# Allegro board FEMA_CBRS_1W_V0P4.brd
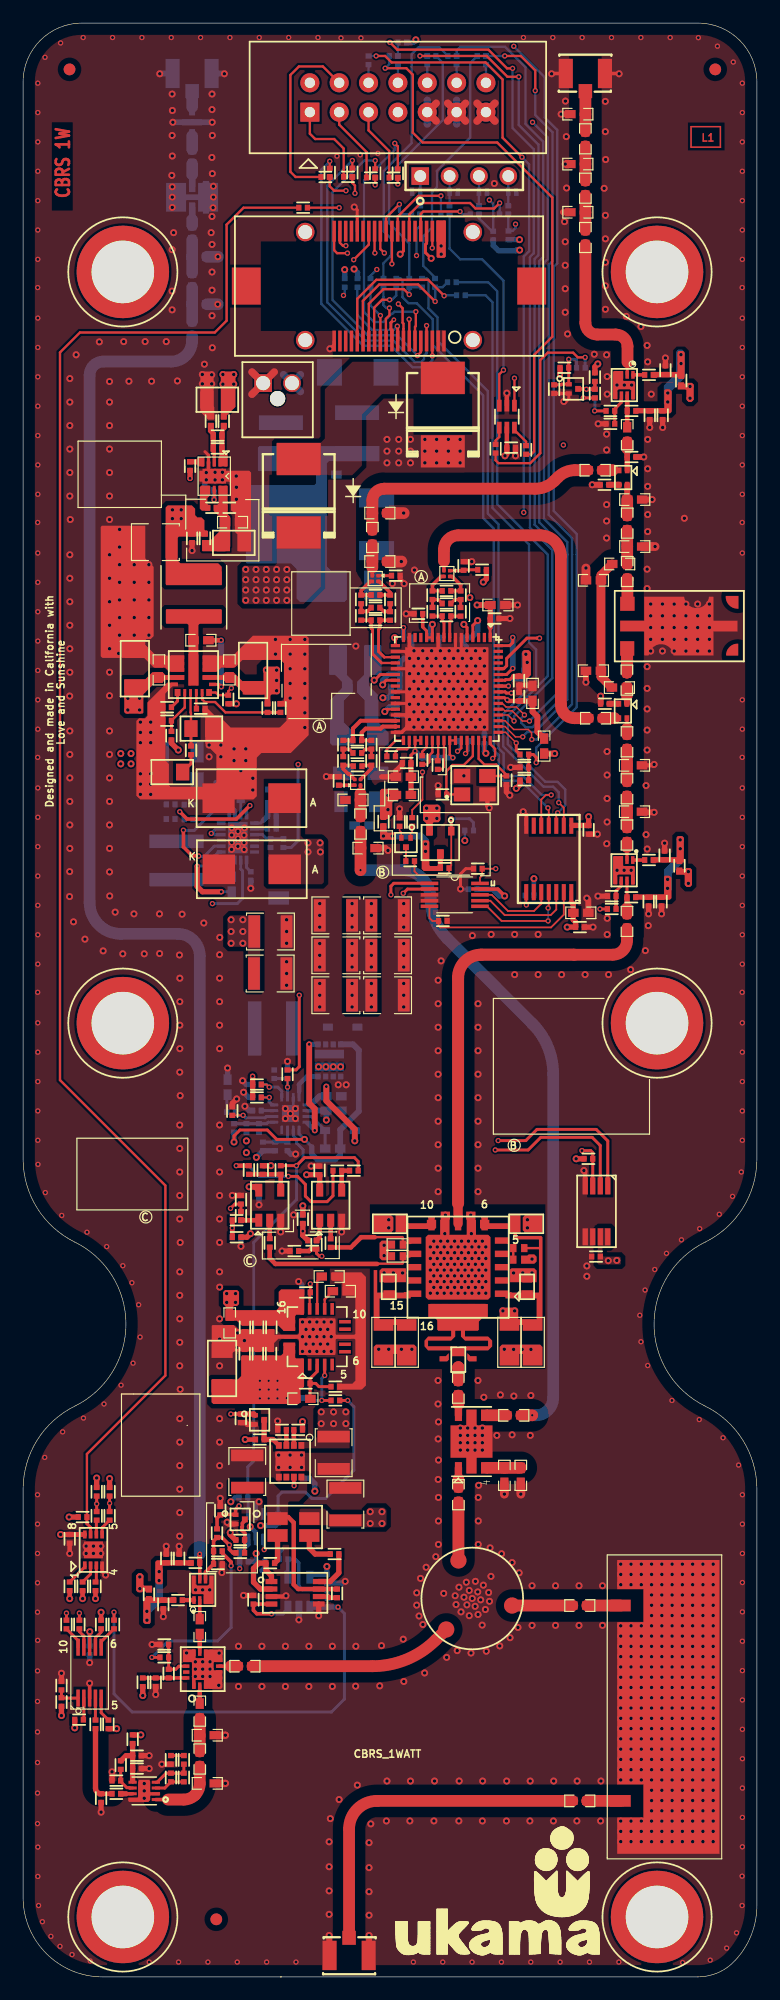
[diagram p0: board, top side]
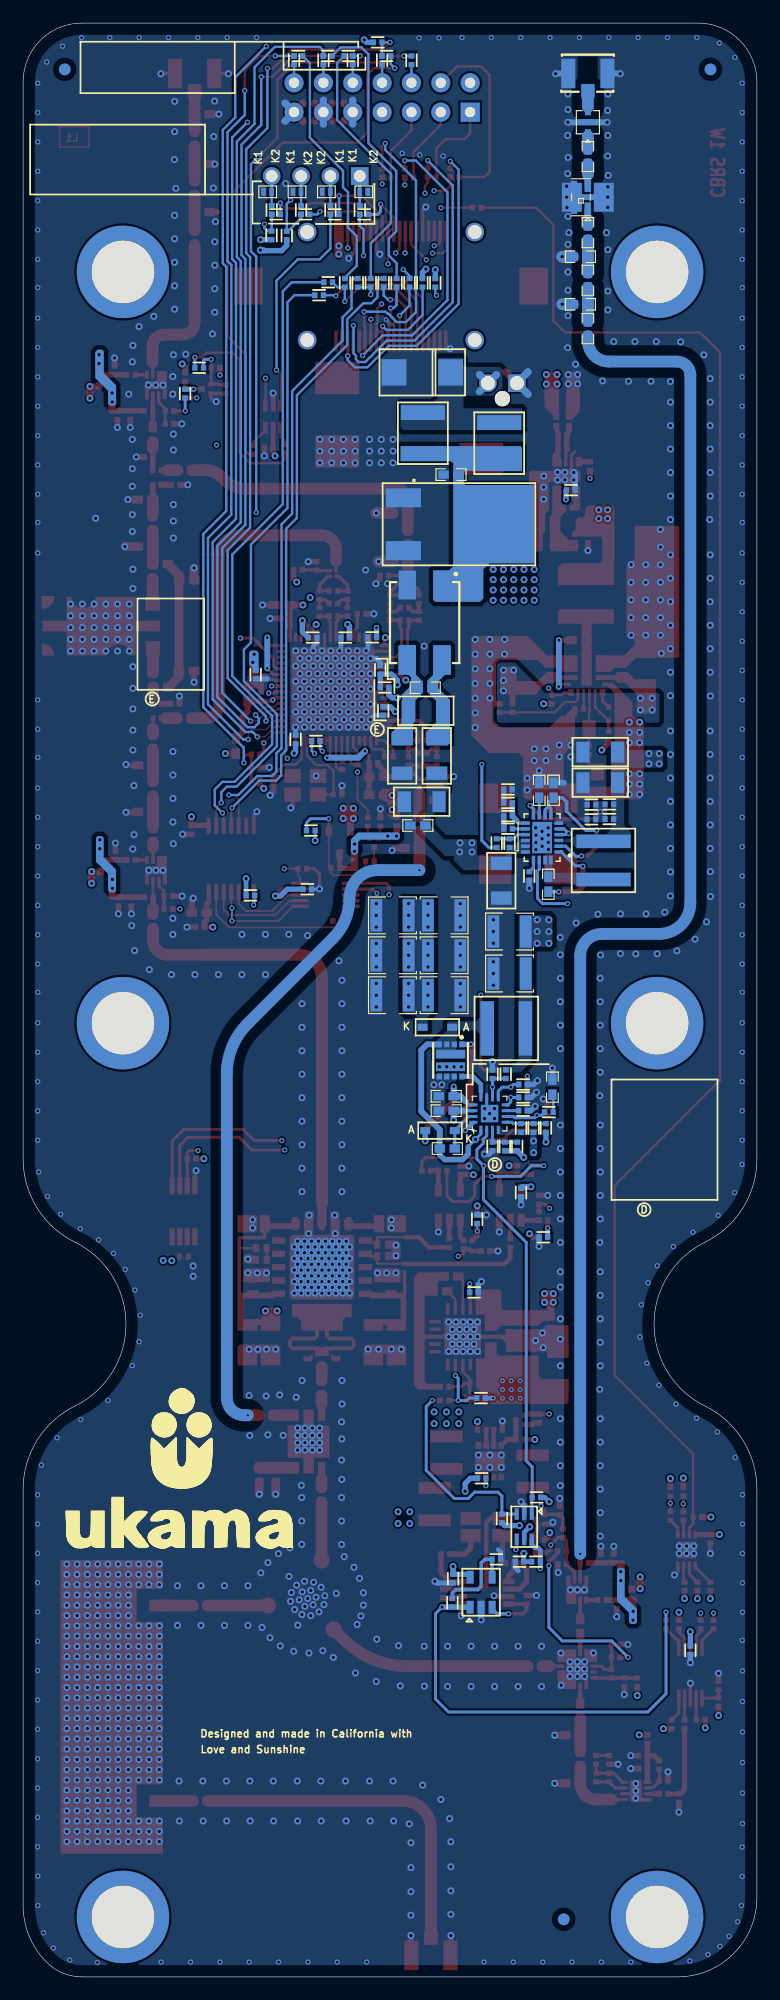
[diagram p1: board, bottom side, seen from below]

Outline 63.5 x 169 mm; copper layers: TOP, GND1, SIG1, SIG2, PWR, BOTTOM. Coordinates in mm from the lower left corner of the outline.
Outline path: 0,163.92 0,70.74 arc(1.21,66.51) 4.48,63.56 arc(8.9,56.47) 4.48,49.37 arc(1.21,46.42) 0,42.19 0,6.88 arc(2.01,2.01) 6.88,0 58.4,0 arc(60.16,0.37) 61.61,1.42 arc(63.01,3.62) 63.5,6.18 63.5,42.19 arc(62.29,46.42) 59.02,49.37 arc(54.6,56.47) 59.02,63.56 arc(62.29,66.51) 63.5,70.74 63.5,163.92 arc(62.01,167.51) 58.42,169 5.08,169 arc(1.49,167.51) 0,163.92

## Design rules (mm)
constraint set DEFAULT: min track width 0.127
net group PA_CIR_OUT: nets PA_CIR_OUT_N PA_CIR_OUT_P
net group PA_COUP_IN: nets PA_COUP_IN_N PA_COUP_IN_P
net group PA_RFPAL_OUT: nets PA_RFPAL_OUT_N PA_RFPAL_OUT_P
net group PWR: nets INT_VCC VCC_5V_DRIV VCC_5V_LNA1 VCC_5V_PD VCC_RFPAL_1V8
net group RF_50E: nets ANT_CIR_OUT ANT_REF_PWR_DET_OUT N5392944 N5434247 N5466645 N5466653 N5466657 N5467666 N5467824 N5467874 N5527142 N5527150 N5527732 N5527736 N5535230 N5592939 N5593222 N5594372 N5594380 N5596314 N5596318 N5597824 N5598004 N5598829 N5598833 N5598837 N5652921 N5693147 N5947818 N5947970 PA_CIR_OUT PA_COUP_IN PA_COUP_IN_C RF_DET_REV_OUT RX_ATTN_IN TX_ATTN_IN TX_ATTN_IN_C TX_ATTN_OUT_C TX_CPLLR_OUT TX_CPLR2_OUT TX_CPLR_3_IN TX_CPLR_3_OUT TX_CPLR_ATTN TX_DELY_BYPAS TX_DELY_IN TX_DELY_IN_R TX_DELY_OUT TX_DRIVER_IN TX_PA_IN TX_PA_RFPAL_OUT TX_PA_RFPAL_OUT_C TX_PREDRI_OUT_C

## Placement (name value [footprint] x y rotation side)
C11  22uF  [C1206]  22.11 94.82 270 bottom
C13  0.1uF  [C0603]  18.05 94.51 90 bottom
C14  0.1uF  [C0402]  12.77 100.15 0 bottom
C15  22uF  [C1206]  13.55 105.94 0 bottom
C16  22uF  [C1206]  13.55 103.3 0 bottom
C17  0.1uF  [C0402]  14.32 100.13 0 bottom
C18  4.7uF  [C0603]  17.59 102.64 90 bottom
C19  15000pF  [C0603]  18.84 102.64 90 bottom
C20  100pF  [C0402]  21.53 100.41 0 bottom
C21  0.1uF  [C0603]  26.47 129.95 0 bottom
C22  0.1uF  [C0603]  28.7 111.51 0 bottom
C23  22uF  [C1206]  28.65 109.52 0 bottom
C26  22uF  [C1206]  29.01 101.65 0 bottom
C27  0.1uF  [C0603]  29.34 99.59 0 bottom
C28  1500pF  [C0402]  21.54 102.72 180 bottom
C29  10UF  [C1210]  27.07 84.91 180 top
C30  10UF  [C1210]  27.07 84.91 180 bottom
C31  10UF  [C1210]  31.54 84.91 0 bottom
C32  10UF  [C1210]  27.07 88.37 180 bottom
C33  10UF  [C1210]  27.07 88.37 180 top
C34  10UF  [C1210]  31.54 88.37 0 top
C35  10UF  [C1210]  31.54 84.91 0 top
C36  10UF  [C1210]  27.07 91.82 180 bottom
C37  10UF  [C1210]  27.07 91.82 180 top
C38  10UF  [C1210]  31.54 91.82 0 top
C39  10UF  [C1210]  31.54 88.37 0 bottom
C40  10UF  [C1210]  31.54 91.82 0 bottom
C41  4.7uF  [C0603]  26.89 76.17 0 bottom
C42  4.7uF  [C0603]  26.89 74.93 0 bottom
C43  0.22uF  [C0603]  26.79 71.65 0 bottom
C44  0.1uF  [C0402]  20.54 35.92 0 bottom
C45  10UF  [C1210]  21.38 86.79 0 top
C46  10UF  [C1210]  21.4 86.79 0 bottom
C47  10UF  [C1210]  21.4 90.42 0 bottom
C48  10UF  [C1210]  21.4 90.42 0 top
C49  0.1uF  [C0402]  20.23 74.93 180 bottom
C50  220pF  [C0402]  18.1 74.9 90 top
C51  47000pF  [C0402]  20.41 73.43 90 bottom
C52  15000pF  [C0603]  17.69 76.96 90 bottom
C53  0.1uF  [C0402]  20.74 71.83 270 bottom
C58  100pF  [C0603]  48.66 158.99 270 top
C59  100pF  [C0603]  48.66 150.46 270 top
C61  100pF  [C0603]  49.5 130.33 0 top
C63  560pF  [C0402]  6.75 15.46 270 top
C64  0.1uF  [C0402]  13.91 17.25 270 top
C65  0.1uF  [C0402]  12.79 17.25 270 top
C66  100pF  [C0603]  52.26 98.77 90 top
C67  100pF  [C0603]  52.26 106.83 90 top
C68  100pF  [C0402]  9.85 18.02 180 top
C69  100pF  [C0603]  49.54 108.87 0 top
C77  100pF  [C0603]  37.67 41.71 270 top
C78  100pF  [C0603]  37.66 50.93 270 top
C89  0.1uF  [C0402]  5.76 28.24 270 bottom
C90  1uF  [C0402]  49.58 62.31 180 top
C91  0.1uF  [C0402]  4.03 37.89 270 top
C101  1uF  [C0402]  11.48 25.48 270 top
C103  100pF  [C0603]  15.29 22.99 90 top
C109  100pF  [C0603]  19.2 26.87 0 top
C124  100pF  [C0603]  14.63 157.45 270 bottom
C125  100pF  [C0603]  14.63 150.88 270 bottom
C126  100pF  [C0603]  14.63 142.57 270 bottom
C129  1000pF  [C0402]  31.85 105.57 180 top
C130  1000pF  [C0402]  34.54 105.26 90 top
C131  1uF  [C0402]  43.37 104.62 180 top
C132  1000pF  [C0402]  35.88 104.83 90 top
C134  0.5pF  [C0402]  28.92 105.87 180 top
C135  1000pF  [C0402]  38.17 106.91 180 bottom
C136  0.5pF  [C0402]  36.64 118.8 0 top
C137  0.3pF  [C0402]  36.64 119.89 0 top
C138  15pF  [C0402]  27.32 103.45 90 top
C139  15pF  [C0402]  38.12 122.05 90 top
C140  -  [C0402]  36.29 102.28 0 top
C142  0.5pF  [C0402]  30.5 118.44 0 top
C143  15pF  [C0402]  32.25 121.2 0 top
C144  -  [C0402]  41.82 103.51 90 top
C145  1000pF  [C0402]  40.81 117.5 0 top
C146  1000pF  [C0402]  39.92 107.04 90 bottom
C147  1000pF  [C0402]  35.63 115.85 0 bottom
C148  4..7uF  [C0603]  32.91 103.81 180 top
C149  1000pF  [C0402]  33.19 105 180 top
C150  1000pF  [C0402]  38.45 115.85 180 bottom
C151  0.1uF  [C0402]  36.48 95.91 180 top
C152  1000pF  [C0402]  32.34 109.5 270 bottom
C153  1000pF  [C0402]  32.59 113.06 90 bottom
C154  1000pF  [C0402]  42.92 112.12 270 top
C155  4..7uF  [C0603]  41.09 118.67 0 top
C156  1000pF  [C0402]  34.2 117.91 180 top
C157  4..7uF  [C0603]  44.09 111.02 90 top
C158  1000pF  [C0402]  42.92 110.74 90 top
C159  1000pF  [C0402]  43.37 112.65 270 bottom
C160  10UF  [C1210]  26.87 45.34 270 top
C161  10UF  [C1210]  19.4 43.71 90 top
C162  10UF  [C1210]  27.89 40.89 90 top
C166  0.1uF  [C0402]  27.17 33.17 90 top
C167  0.1uF  [C0402]  26.29 34.44 270 bottom
C168  0.1uF  [C0402]  38.9 94.08 180 bottom
C169  0.1uF  [C0402]  39.35 95.86 180 top
C178  0.1uF  [C0402]  48.19 90.81 0 top
C179  0.1uF  [C0402]  48.94 99.22 270 top
C180  2.2pF  [C0603]  48.26 92.04 0 top
C194  100pF  [C0402]  12.13 32.22 270 top
C195  100pF  [C0402]  13.5 36.19 90 top
C196  1uF  [C0402]  12.39 36.19 90 top
C198  100pF  [C0603]  15.29 30.3 270 top
C199  1uF  [C0402]  54.23 135.08 270 top
C200  100pF  [C0402]  55.34 135.08 270 top
C201  100pF  [C0402]  55.58 138.98 90 top
C203  100pF  [C0603]  52.28 133.4 270 top
C204  100pF  [C0402]  55.51 97.01 90 top
C205  100pF  [C0402]  55.25 93.01 270 top
C206  1uF  [C0402]  54.13 93.01 270 top
C207  100pF  [C0603]  52.26 91.3 90 top
C208  10UF  [M1206]  42.09 54.89 270 top
C209  10UF  [M1206]  44.09 54.89 270 top
C210  3.3pF  [F0603]  43.61 59.69 90 top
C211  10UF  [M0805]  43.54 65.14 0 top
C212  3.6pF  [F0603]  37.66 53.39 270 top
C213  10UF  [M0805]  31.74 65.14 180 top
C214  3pF  [F0603]  31.64 59.69 90 top
C215  4.7UF  [M0402]  32.39 63.34 180 top
C216  4.7UF  [M0402]  32.39 62.34 180 top
C217  10UF  [M1206]  31.19 54.89 270 top
C218  10UF  [M1206]  33.19 54.89 270 top
C219  100pF  [C0603]  48.17 32.12 0 top
C220  100pF  [C0603]  48.17 15.22 180 top
C221  100pF  [C0402]  52.65 131.47 0 top
C222  4.7uF  [C1206]  19.9 113 90 top
C223  4.7uF  [C1206]  9.67 113.16 90 top
C224  0.1uF  [C0603]  17.85 113.06 90 top
C225  0.1uF  [C0603]  11.75 113.06 90 top
C226  0.1uF  [C0603]  15.38 115.62 180 top
C227  47uF  [C1210]  11.45 124.1 180 top
C228  8.2nF  [C0402]  15.37 109.7 0 top
C229  18pF  [C0805]  15.43 107.97 0 top
C230  33nF  [C0805]  12.91 104.22 180 top
C231  10uF  [C0603]  17.88 56.57 270 top
C232  0.1uF  [C0402]  19.2 56.19 270 top
C233  0.1uF  [C0402]  21.48 56.19 270 top
C234  0.1uF  [C0402]  20.34 56.19 270 top
C235  10000pF  [C0603]  24.21 50.01 0 top
C236  0.1uF  [C0402]  19.17 53.9 90 top
C237  0.1uF  [C0402]  21.46 53.9 90 top
C238  0.1uF  [C0402]  20.32 53.9 90 top
C239  22uF  [C1206]  17.22 52.63 90 top
C240  10000pF  [C0603]  26.49 60.58 0 top
C241  10uF  [C0603]  27.45 59.31 0 top
C242  0.1uF  [C0402]  14.62 124.43 270 top
C243  10uF  [C0805]  18.23 124.04 0 top
C244  2.2uF  [C0603]  18.13 125.83 0 top
C245  10pF  [C0402]  17.85 127.08 0 top
C246  10nF  [C0402]  16.83 132.21 180 top
C247  10uF  [C0805]  16.81 136.42 180 top
C248  0.1uF  [C0402]  16.1 128.6 180 bottom
C249  0.1uF  [C0402]  25.65 69.76 90 top
C250  0.1uF  [C0402]  20.41 67.84 270 bottom
C251  0.9pF  [C0402]  30.5 117.35 0 top
C252  0.2pF  [C0402]  36.64 117.7 0 top
C253  0.3pF  [C0402]  30.5 119.53 0 top
C254  0.3pF  [C0402]  28.95 104.72 180 top
C255  100uF  [C2917]  19.76 101.96 180 top
C256  100uF  [C2917]  19.79 95.81 180 top
C257  0.1uF  [C0402]  42.24 132.28 0 top
C258  0.1uF  [C0402]  12.79 18.77 90 top
C259  0.1uF  [C0402]  9.85 19.14 180 top
C260  100pF  [C0603]  42.46 48.58 0 top
CON2  RECE.20279.001E.01  [RCPT_STR_50]  48.66 164.77 0 top
CON3  RECE.20279.001E.01  [RCPT_STR_50]  28.21 1.73 180 top
CON4  RECE.20279.001E.01  [RCPT_STR_50]  14.63 164.77 180 bottom
D1  STPS1045B  [DPAK]  25.78 125.65 270 bottom
D2  BAS140WE6327  [SOD323]  27.42 73.2 180 bottom
D3  BAS140WE6327  [SOD323]  27.65 82.14 0 bottom
D4  PGB1010603MR  [D0603]  48.01 161.13 0 top
D5  -  [CLA4606-085LF]  14.63 160.43 270 bottom
D6  B530C-13-F  [DO_214SMC]  23.85 128.12 270 top
D11  SMDJ16CA  [DO_214SMC]  36.32 135.13 270 top
D12  PESD3V3X1BL,315  [DFN98X58X50-2N_NXP]  42.34 154.41 0 bottom
D13  PESD3V3X1BL,315  [DFN98X58X50-2N_NXP]  39.8 154.41 0 bottom
D14  PESD3V3X1BL,315  [DFN98X58X50-2N_NXP]  37.26 154.41 0 bottom
D15  PESD3V3X1BL,315  [DFN98X58X50-2N_NXP]  34.02 154.41 180 bottom
F1  MINISMDC260F/16-2  [F1812]  22.3 132.66 270 bottom
F2  MINISMDC260F/16-2  [F1812]  28.91 133.53 270 bottom
FB4  120E  [FB_1206]  27.7 105.61 270 bottom
FB5  120E  [FB_1206]  30.7 105.61 270 bottom
FB8  33E  [FB_0402]  39.72 121.72 0 top
FB9  33E  [FB_0402]  31.18 99.92 90 top
FB10  33E  [FB_0402]  32.21 111.53 0 bottom
FB11  120E  [FB_0603]  32.91 102.24 0 top
FB12  120E  [FB_0603]  45.09 106.47 90 top
FB14  33E  [FB_0402]  21.34 63.49 270 top
FB15  33E  [FB_0402]  26.62 63.47 270 top
FB16  33E  [FB_0402]  10.89 33.09 270 top
FB17  33E  [FB_0402]  56.95 138.08 90 top
FB18  33E  [FB_0402]  56.8 96.11 90 top
FL1  -  [USB362A]  51.69 23.67 90 top
FL3  -  [BP0805A3500ASTR]  15.23 153.94 270 bottom
J1  FX23L-40-S-0.5SV10  [FX23L-40-S-0P5SV10]  31.66 146.25 180 top
J2  -  [1053091102]  22.02 137.86 0 top
J3  10056844-114LF  [BERG_2X7_2P54]  32.43 162.57 0 top
J4  87224-4  [BERG_1X4_2P54]  34.37 155.77 0 top
L2  3.3UH  [XAL5030-332MEC]  13.28 96.57 90 bottom
L4  5.6UH  [XAL5050-562MEC]  21.68 82.04 180 bottom
L8  2.2nH  [L0402]  30.14 106.58 90 top
L10  8.2nH  [L0402]  28.92 106.96 180 top
L12  2.2nH  [L0402]  27.7 106.58 90 top
L15  5.6UH  [INDDFN528X548X510-2N]  14.77 119.33 90 top
L19  18nH  [L0402]  14.91 35.81 0 top
L20  18nH  [L0402]  52.65 135.46 180 top
L21  18nH  [L0402]  52.63 93.39 180 top
L22  ACM70V-701-2PL-TL00  [FIL_ACM70V-701-2PL-TL00]  28.75 117.14 270 bottom
L23  2.2nH  [L0402]  29.25 117.73 270 top
L24  2.2nH  [L0402]  31.76 117.72 270 top
L25  1.5nH  [L0402]  35.42 119.51 90 top
L26  1.5nH  [L0402]  37.86 119.51 90 top
MH1  M_HOLE  [MTG370X800]  54.86 147.48 0 top
MH2  M_HOLE  [MTG370X800]  54.86 82.5 0 top
MH3  M_HOLE  [MTG370X800]  8.63 82.5 0 top
MH4  M_HOLE  [MTG370X800]  54.86 5.18 0 top
MH5  M_HOLE  [MTG370X800]  8.63 5.18 0 top
MH6  M_HOLE  [MTG370X800]  8.63 147.48 0 top
NOREF  -  [unnamed]  16.72 4.98 0 top
NOREF#2  -  [#2]  0 163.92 0 top
NOREF#3  -  [#2]  57.75 0 90 top
NOREF#4  -  [unnamed]  4.02 165 0 top
NOREF#5  -  [unnamed]  59.9 165 0 top
NOREF#6  -  [unnamed]  59.9 165 180 bottom
NOREF#7  -  [unnamed]  16.72 4.98 180 bottom
NOREF#8  -  [unnamed]  4.02 165 180 bottom
Q1  FDMC8030  [TRANS_FDMC8030]  26.51 79.27 270 bottom
Q2  -  [RYM002N05T2CL]  47.63 137.36 270 top
Q3  -  [RYM002N05T2CL]  18.79 39.57 270 top
Q4  SI2333DS-T1-E3  [SOT23-3N]  36.11 98.12 180 top
Q5  -  [RYM002N05T2CL]  33.13 98.12 180 top
Q6  -  [RYM002N05T2CL]  20.46 48.18 270 top
R10  0E  [R0402]  21.4 98.07 90 bottom
R12  0E  [R0402]  22.52 98.07 90 bottom
R13  115K  [R0402]  12.77 101.42 0 bottom
R14  56K  [R0402]  14.32 101.4 0 bottom
R15  634K  [R0402]  21.53 99.31 0 bottom
R16  0E  [R0402]  19.7 95.22 270 bottom
R17  5.1K  [R0402]  21.54 101.55 0 bottom
R18  0E  [R0402]  22.88 78.08 270 top
R19  0E  [R0402]  21.73 78.08 90 bottom
R20  10K  [R0402]  22.88 78.08 90 bottom
R21  100K  [R0402]  22.06 39.65 90 bottom
R22  100K  [R0402]  19.07 41.48 0 bottom
R23  100K  [R0402]  19.12 35.92 180 bottom
R24  0E  [R0402]  20.23 76.07 0 top
R25  0E  [R0402]  20.23 77.19 0 bottom
R26  0E  [R0402]  20.23 77.19 0 top
R27  0E  [R0402]  20.23 76.07 180 bottom
R28  8.2K  [R0402]  18 74.8 180 bottom
R29  1M Ohm  [R0402]  19.32 73.43 90 bottom
R30  8.2K  [R0402]  18.25 73.43 270 bottom
R31  200K  [R0402]  21.81 71.83 270 bottom
R32  12.7K  [R0402]  22.88 71.83 270 bottom
R34  0E  [R0603]  48.66 154.72 270 top
R35  49.9E  [R0402]  50.31 129.07 180 top
R36  0E  [R0603]  48.01 156.81 0 top
R37  0E  [R0603]  48.01 152.64 0 top
R38  1.1K  [R0402]  49.48 138.38 270 top
R39  0E  [R0402]  49.48 136.96 270 bottom
R40  0E  [R0402]  49.48 136.96 270 top
R41  10K  [R0402]  45.95 137.34 270 top
R42  0E  [R0402]  9.48 20.56 90 top
R43  0E  [R0603]  51.6 111.52 0 top
R44  0E  [R0603]  51.63 122.21 180 top
R46  0E  [R0603]  52.25 112.17 90 top
R47  0E  [R0603]  52.28 121.56 90 top
R48  0E  [R0603]  52.28 125.76 90 top
R49  0E  [R0603]  52.93 123.72 180 top
R50  0E  [R0603]  52.93 127.79 180 top
R53  49.9E  [R0402]  50.35 110.12 180 top
R58  100E  [R0603]  41.65 43.38 270 top
R59  100E  [R0603]  43.07 43.38 270 top
R60  0E  [R0402]  15.74 124.43 270 top
R63  10K  [R0402]  4.84 22.25 0 top
R64  10K  [R0402]  3.32 23.77 90 top
R65  10K  [R0402]  48.92 70.76 0 top
R66  10K  [R0402]  6.75 30.48 270 top
R67  10K  [R0402]  5.15 39.78 0 top
R68  10K  [R0402]  5.15 33.78 90 top
R69  10K  [R0402]  4.03 33.78 90 top
R70  4.7K  [R0402]  6.37 41.96 270 top
R71  4.7K  [R0402]  7.48 41.96 270 top
R72  10K  [R0402]  3.32 25.2 90 top
R73  10K  [R0402]  6.26 33.78 90 top
R74  0E  [R0402]  6.26 21.84 90 top
R75  10K  [R0402]  7.38 21.84 90 top
R76  0E  [R0402]  6.37 39.88 90 top
R77  0E  [R0402]  7.48 39.88 90 top
R78  0E  [R0402]  7.87 30.48 270 top
R79  0E  [R0402]  4.87 30.48 90 top
R80  0E  [R0402]  3.75 30.48 90 top
R84  0E  [R0402]  10.35 25.48 270 top
R85  0E  [R0603]  15.29 18.85 90 top
R86  0E  [R0603]  15.94 16.74 180 top
R88  0E  [R0603]  15.94 20.9 180 top
R95  10K  [R0402]  12.59 26.23 90 top
R96  0E  [R0402]  12.22 27.64 0 top
R97  100K  [R0402]  12.22 28.75 180 top
R98  10K  [R0402]  20.73 69.79 270 top
R100  1.1K  [R0402]  18.79 37.8 0 top
R101  1.1K  [R0402]  18.85 65.83 270 top
R102  1.1K  [R0402]  25.39 63.33 90 top
R103  0E  [R0402]  18.79 36.68 180 top
R104  10K  [R0402]  17.06 40.34 90 top
R105  200E  [R0603]  29.2 99.72 270 top
R106  68E  [R0603]  28.55 101.8 0 top
R107  68E  [R0603]  29.85 97.64 180 top
R108  10K  [R0402]  43.37 103.51 0 top
R109  12.4K  [R0402]  33.29 115.87 0 bottom
R110  0E  [R0402]  30.14 105.18 90 top
R111  0E  [R0402]  35.42 118.08 90 top
R112  0E  [R0402]  27.7 105.18 90 top
R113  0E  [R0402]  37.86 118.08 90 top
R114  0E  [R0402]  29.25 119.15 270 top
R115  0E  [R0402]  31.77 119.15 270 top
R116  0E  [R0603]  30.22 124.51 90 top
R117  0E  [R0603]  30.87 122.43 180 top
R118  0E  [R0603]  30.87 126.62 180 top
R119  1.1K  [R0402]  38.6 99.16 0 bottom
R120  0E  [R0402]  33.5 96.51 0 top
R121  0E  [R0402]  33.67 99.9 270 top
R122  0E  [R0402]  32.58 99.9 270 top
R123  100K  [R0402]  23.81 47.32 180 top
R124  100K  [R0402]  23.83 43.13 180 bottom
R125  50mE  [RSENSE1206]  23.39 38.91 0 top
R126  30.1E  [R0402]  21.39 35.79 180 top
R127  30.1E  [R0402]  26.95 36.58 0 top
R128  270K  [R0402]  22.41 47.32 180 top
R129  470E  [R0402]  20.48 46.48 0 top
R130  0E  [R0402]  26.35 32.36 270 bottom
R131  10K  [R0402]  18.84 48.31 270 top
R132  910E  [R0402]  19.93 32.62 90 top
R133  0E  [R0402]  22.54 36.12 180 bottom
R139  10K  [R0402]  36.33 91.34 0 top
R156  0E  [R0402]  24.23 153.04 0 top
R159  3.32K  [R0402]  13.4 32.59 0 top
R160  0E  [R0402]  16.86 36.83 180 top
R161  100K  [R0402]  16.86 35.71 0 top
R162  3.32K  [R0402]  54.16 138.58 180 top
R163  0E  [R0402]  50.82 135.46 0 top
R164  100K  [R0402]  50.82 134.34 180 top
R165  3.32K  [R0402]  54.16 96.61 180 top
R166  0E  [R0402]  50.94 92.37 0 top
R167  100K  [R0402]  50.94 93.49 180 top
R185  0E  [R0402]  35.65 146.53 270 bottom
R186  0E  [R0402]  33.41 146.53 270 bottom
R187  0E  [R0402]  37.1 146.58 180 bottom
R188  0E  [R0402]  34.53 146.53 270 bottom
R189  0E  [R0402]  30.06 146.53 270 bottom
R190  0E  [R0402]  31.18 146.53 270 bottom
R191  0E  [R0402]  32.3 146.53 270 bottom
R208  84.5K  [R0402]  21.15 109.75 270 top
R209  49.9K  [R0402]  12.83 107.37 90 top
R210  100K  [R0402]  17.75 110.5 90 top
R211  11K  [R0402]  22.27 109.75 90 top
R212  90.0K  [R0402]  12.46 109.83 180 top
R213  6.04K  [R0402]  12.46 108.66 180 top
R214  2.67K  [R0402]  14.53 106.1 270 top
R215  29.4K  [R0402]  24.48 59.21 0 top
R216  105K  [R0402]  24.46 51.33 0 top
R217  10K  [R0402]  24.48 59.21 180 bottom
R218  20K  [R0402]  27.02 51.06 0 top
R219  100K  [R0402]  23.88 50.06 0 bottom
R220  0E  [R0402]  27.02 49.86 0 top
R238  0E  [R0402]  26.53 156.07 90 top
R239  0E  [R0402]  28.49 156.08 90 top
R240  0E  [R0402]  30.47 156.02 90 top
R241  0E  [R0402]  32.43 156.01 90 top
R242  0E  [R0402]  26.16 155.69 180 top
R246  0E  [R0402]  39.68 166.16 0 bottom
R247  0E  [R0402]  35.35 166.16 180 bottom
R248  0E  [R0402]  32.06 166.16 0 bottom
R249  0E  [R0402]  37.14 166.16 0 bottom
R254  0E  [R0402]  43.37 105.74 180 top
R255  0E  [R0402]  29.89 165.79 90 bottom
R256  10K  [R0402]  32.82 167.34 180 bottom
R257  0E  [R0402]  32.43 165.79 90 bottom
R258  0E  [R0402]  34.97 165.79 90 bottom
R259  0E  [R0402]  37.51 165.79 90 bottom
R260  0E  [R0402]  40.05 165.79 90 bottom
R261  0E  [R0402]  28.11 155.7 180 top
R262  0E  [R0402]  30.1 155.64 180 top
R263  0E  [R0402]  32.05 155.63 180 top
R264  10K  [R0402]  43.83 93.55 180 bottom
R266  10K  [R0402]  27.83 146.53 270 bottom
R267  10K  [R0402]  28.94 146.53 270 bottom
R268  10K  [R0402]  40.68 150.62 90 bottom
R269  10K  [R0402]  42 150.65 90 bottom
R270  0E  [R0402]  37.89 145.47 180 bottom
R271  5.1K  [R0402]  18.48 63.98 180 top
R272  10K  [R0402]  18.48 63.98 0 bottom
R273  9.1K  [R0402]  24.21 65.54 270 top
R274  10K  [R0402]  24.21 65.54 90 bottom
R275  0E  [R0402]  18.48 65.45 0 top
R276  0E  [R0402]  25.02 63.7 0 top
R277  0E  [R0402]  22.29 69.79 270 top
R278  0E  [R0402]  28.62 69.74 180 top
R279  0E  [R0402]  17.36 134.57 90 top
R280  3.57k  [R0402]  16.83 133.32 180 top
R281  0E  [R0402]  16.35 127.08 180 top
R282  1.15k  [R0402]  16.25 134.57 90 top
R283  20K  [R0402]  14.44 130.68 270 top
R287  71.5E  [R0603]  52.26 102.77 90 top
R288  96.5E  [R0603]  52.91 100.79 0 top
R289  96.5E  [R0603]  52.91 104.8 0 top
R291  0E  [R0603]  15.28 148.79 180 bottom
R293  0E  [R0603]  14.63 146.76 270 bottom
R294  0E  [R0603]  15.28 144.68 180 bottom
R295  10K  [R0402]  18.85 67.22 90 top
R296  10E  [R0402]  19.54 69.79 270 top
R297  10K  [R0402]  23.47 62.79 180 top
R298  10E  [R0402]  27.19 69.74 0 top
R300  0E  [R0402]  48.26 139.19 180 bottom
R301  0E  [R0402]  46.84 139.19 0 top
R302  0E  [R0402]  36.53 152.46 180 bottom
R303  0E  [R0402]  16.78 38.38 270 top
R304  0E  [R0402]  40.89 132.18 90 top
R305  0E  [R0402]  43.53 132.08 90 top
R306  100E  [R0402]  8.07 15.84 180 top
R307  100K  [R0402]  8.45 18.32 90 top
R308  100K  [R0402]  8.07 16.98 0 top
R309  4E3  [R0402]  13.91 18.77 90 top
R360  0E  [R0402]  34.37 152.83 270 bottom
R361  0E  [R0402]  36.91 152.83 270 bottom
R362  0E  [R0402]  39.45 152.83 270 bottom
R363  0E  [R0402]  41.99 152.83 270 bottom
R364  0E  [R0402]  39.07 152.46 180 bottom
R365  0E  [R0402]  41.61 152.46 180 bottom
R366  0E  [R0402]  33.99 152.46 180 bottom
R367  0E  [R0603]  49.36 112.98 0 top
R368  0E  [R0603]  49.36 120.8 0 top
T1  -  [BD3150N50100AHF]  36.67 121.39 0 top
T2  -  [BD3150N50100AHF]  28.95 103.33 180 top
T3  -  [BD3150N50100AHF]  30.47 120.95 0 top
U1  LTC3786EUD#PBF  [QFN-16_UD]  23.13 74.68 90 bottom
U3  SKYFR-001822:  [SKYFR-001822]  38.87 32.73 320 top
U4  -  [X4C30F1-30S]  38.8 46.3 90 top
U10  TPS7A9101DSKR  [WSON_0P5P_2P5X2P5X0P8_10N]  16.54 129.81 180 top
U13  LTC3626IUDC#PBF  [QFN50P400X300X80-21N]  18.58 98.55 0 bottom
U19  SC1894A-00C13  [21-0765A_K6499MK1B]  36.67 111.4 270 top
U21  QPL9547  [DFN_8N]  15.54 33.48 90 top
U22  PE42823  [QFN-17N]  15.54 26.62 90 top
U27  NX3225SA-20.000M-STD-CRS-2  [OSCCC320X250X60]  39.08 103.08 0 top
U28  QPL9547  [DFN_8N]  52.03 137.69 270 top
U29  -  [CP0603A0902CNTR]  51.93 129.69 180 top
U30  -  [XDL15-3-030S]  56.79 116.84 0 top
U32  CP0603A0902HNTR  [CP0603A0902CNTR]  51.9 109.5 180 top
U47  TPS54424RNVR  [RNV0018B]  14.74 112.75 180 top
U48  TPS7A8300  [QFN65P500X500X100-21N_A]  25.45 55.37 90 top
U60  QPL9547  [DFN_8N]  52.01 95.72 270 top
U70  BLM10D3438-35ABZ  [QFN_1P15_21N]  37.64 61.39 180 top
U71  FPF2702MPX  [MLP3X3]  23.11 44.6 180 top
U72  LTC6102IMS8PBF  [MSOP_8N]  23.54 33.22 270 top
U73  OPA320AIDBVT  [SOT23_5N]  23.86 33.27 180 bottom
U74  AD5663RBRMZ-5  [SOP50P490X110-10N]  37.35 93.6 0 top
U78  ADS1015IDGST  [ADS1015IDGSR_0]  5.76 26.31 90 top
U79  M24128-DRMF3TG/K  [M24128_DRMF3TG_K]  6.09 36.93 90 top